# KiCad board RobotLegoController.kicad_pcb (continued)
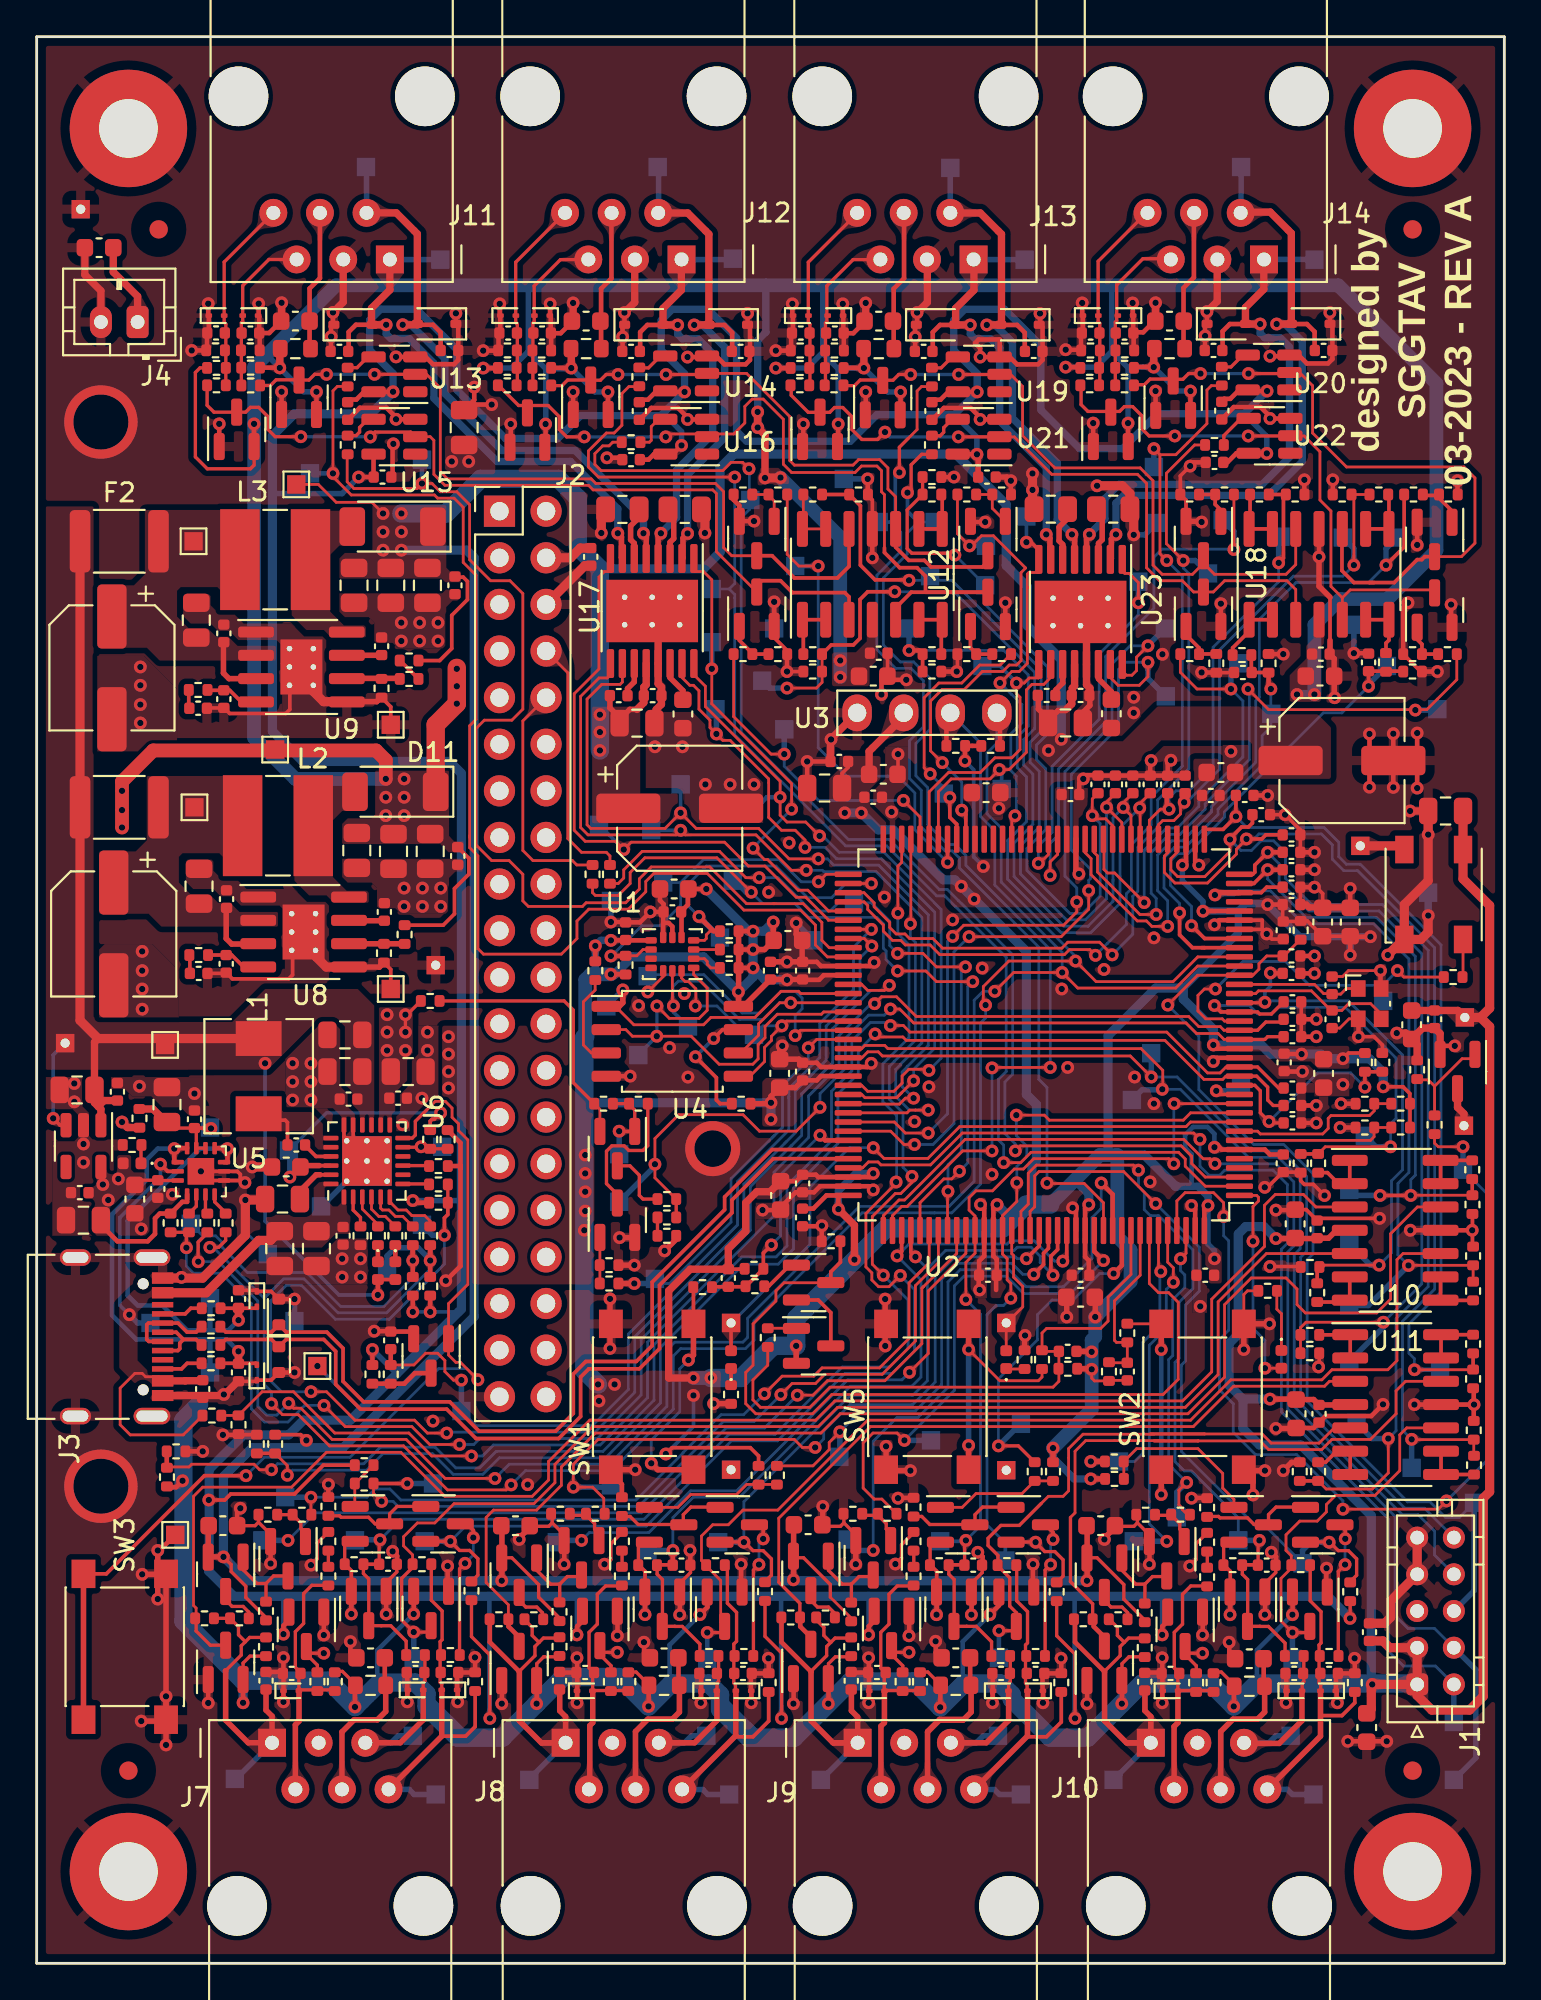
[diagram p0: board, top side]
## Placement (name value [footprint] x y rotation side) (continued)
R68  10K  [R_0402_1005Metric]  7.1 26.5 270 top
R69  2K4  [R_0402_1005Metric]  72.4 49.1 90 top
R70  10K  [R_0402_1005Metric]  11 29.35 90 top
R71  10K  [R_0402_1005Metric]  12 28.3 270 top
R72  10K  [R_0402_1005Metric]  7.6 27.9 180 top
R73  10K  [R_0402_1005Metric]  73.35 49.1 270 top
R74  10K  [R_0402_1005Metric]  12.5 17.25 270 top
R75  10K  [R_0402_1005Metric]  28.5 17.26 270 top
R76  100K  [R_0402_1005Metric]  12.5 19.2 270 top
R77  100K  [R_0402_1005Metric]  28.5 19.16 270 top
R78  330  [R_0402_1005Metric]  14.46 24.45 180 top
R79  330  [R_0402_1005Metric]  30.45 24.5 180 top
R80  330  [R_0402_1005Metric]  11.05 18.8 0 top
R81  330  [R_0402_1005Metric]  27.1 18.75 0 top
R82  100K  [R_0402_1005Metric]  12.6 24.45 0 top
R83  100K  [R_0402_1005Metric]  28.55 24.5 0 top
R84  10K  [R_0402_1005Metric]  9.15 18.8 0 top
R85  10K  [R_0402_1005Metric]  25.2 18.75 0 top
R86  2K4  [R_0402_1005Metric]  69.85 43.6 90 top
R87  2K4  [R_0402_1005Metric]  78.25 43.25 270 top
R88  4K7  [R_0402_1005Metric]  68.9 43.6 270 top
R89  4K7  [R_0402_1005Metric]  78.26 41.35 270 top
R90  10K  [R_0402_1005Metric]  16.25 15.35 90 top
R91  10K  [R_0402_1005Metric]  32.25 15.35 90 top
R92  10K  [R_0402_1005Metric]  15.3 15.35 270 top
R93  10K  [R_0402_1005Metric]  15.9 21.1 270 top
R94  10K  [R_0402_1005Metric]  15.9 23 270 top
R95  10K  [R_0402_1005Metric]  31.3 15.35 270 top
R96  10K  [R_0402_1005Metric]  31.9 21.1 270 top
R97  10K  [R_0402_1005Metric]  31.9 23 270 top
R98  100K  [R_0402_1005Metric]  17.3 21.75 180 top
R99  100K  [R_0402_1005Metric]  33.3 21.7 180 top
R100  330  [R_0402_1005Metric]  20.65 16.8 0 top
R101  330  [R_0402_1005Metric]  36.65 16.75 0 top
R102  100K  [R_0402_1005Metric]  17.85 27.15 180 top
R103  100K  [R_0402_1005Metric]  39.35 26.6 90 top
R104  330  [R_0402_1005Metric]  17.85 26.15 180 top
R105  330  [R_0402_1005Metric]  40.35 26.6 270 top
R106  100K  [R_0402_1005Metric]  55.4 26.8 90 top
R107  330  [R_0402_1005Metric]  54.4 26.8 270 top
R108  100K  [R_0402_1005Metric]  58.75 26.4 180 top
R109  330  [R_0402_1005Metric]  58.74 27.35 0 top
R110  10K  [R_0402_1005Metric]  23.7 20.3 90 top
R111  10K  [R_0402_1005Metric]  39.7 20.26 90 top
R112  10K  [R_0402_1005Metric]  21 21.75 0 top
R113  330  [R_0402_1005Metric]  22.55 16.8 180 top
R114  10K  [R_0402_1005Metric]  37 21.7 0 top
R115  330  [R_0402_1005Metric]  38.55 16.75 180 top
R116  220K  [R_0402_1005Metric]  23.9 15.35 90 top
R117  100K  [R_0402_1005Metric]  15.9 24.9 270 top
R118  220K  [R_0402_1005Metric]  39.9 15.3 90 top
R119  100K  [R_0402_1005Metric]  31.9 24.89 270 top
R120  2K4  [R_0402_1005Metric]  69.8 36.55 90 top
R121  2K4  [R_0402_1005Metric]  78.3 36.64 90 top
R122  4K7  [R_0402_1005Metric]  69.41 37.95 180 top
R123  4K7  [R_0402_1005Metric]  78.3 38.55 90 top
R124  10K  [R_0402_1005Metric]  44.4 17.25 270 top
R125  10K  [R_0402_1005Metric]  60.4 17.2 270 top
R126  100K  [R_0402_1005Metric]  44.4 19.15 270 top
R127  100K  [R_0402_1005Metric]  60.4 19.1 270 top
R128  330  [R_0402_1005Metric]  46.36 24.5 180 top
R129  330  [R_0402_1005Metric]  62.35 24.45 180 top
R130  330  [R_0402_1005Metric]  43 18.85 0 top
R131  330  [R_0402_1005Metric]  58.95 18.75 0 top
R132  100K  [R_0402_1005Metric]  44.49 24.5 0 top
R133  100K  [R_0402_1005Metric]  60.45 24.45 0 top
R134  10K  [R_0402_1005Metric]  41.1 18.85 0 top
R135  10K  [R_0402_1005Metric]  57.05 18.75 0 top
R136  2K4  [R_0402_1005Metric]  69.4 34.25 180 top
R137  2K4  [R_0402_1005Metric]  78.3 33.75 270 top
R138  4K7  [R_0402_1005Metric]  69.4 33.25 0 top
R139  4K7  [R_0402_1005Metric]  78.3 31.85 270 top
R140  10K  [R_0402_1005Metric]  48.15 15.35 90 top
R141  10K  [R_0402_1005Metric]  64.15 15.3 90 top
R142  10K  [R_0402_1005Metric]  47.2 15.35 270 top
R143  10K  [R_0402_1005Metric]  47.8 21.1 270 top
R144  10K  [R_0402_1005Metric]  47.8 23 270 top
R145  10K  [R_0402_1005Metric]  63.2 15.3 270 top
R146  10K  [R_0402_1005Metric]  63.8 21.05 270 top
R147  10K  [R_0402_1005Metric]  63.8 22.95 270 top
R148  100K  [R_0402_1005Metric]  49.2 21.7 180 top
R149  100K  [R_0402_1005Metric]  65.2 21.7 180 top
R150  330  [R_0402_1005Metric]  52.55 16.75 0 top
R151  330  [R_0402_1005Metric]  68.55 16.75 0 top
R152  22  [R_0402_1005Metric]  77.21 53.75 0 top
R153  330  [R_0402_1005Metric]  76.2 45.7 270 top
R154  100K  [R_0402_1005Metric]  75.25 48.7 270 top
R160  10K  [R_0402_1005Metric]  55.6 20.25 90 top
R161  10K  [R_0402_1005Metric]  71.6 20.25 90 top
R162  10K  [R_0402_1005Metric]  52.89 21.7 0 top
R163  330  [R_0402_1005Metric]  54.45 16.75 180 top
R164  10K  [R_0402_1005Metric]  68.9 21.7 0 top
R165  330  [R_0402_1005Metric]  70.45 16.75 180 top
R166  220K  [R_0402_1005Metric]  55.85 15.3 90 top
R167  100K  [R_0402_1005Metric]  47.8 24.86 270 top
R168  220K  [R_0402_1005Metric]  71.85 15.3 90 top
R169  100K  [R_0402_1005Metric]  63.8 24.84 270 top
R170  2K4  [R_0402_1005Metric]  69.85 26.8 270 top
R171  2K4  [R_0402_1005Metric]  78.35 27.15 90 top
R172  4K7  [R_0402_1005Metric]  68.85 26.8 90 top
R173  4K7  [R_0402_1005Metric]  78.33 29.05 90 top
R174  100K  [R_0402_1005Metric]  11.66 86.96 0 top
R175  100K  [R_0402_1005Metric]  27.53 86.95 0 top
R176  4K7  [R_0402_1005Metric]  11.67 85.99 180 top
R177  4K7  [R_0402_1005Metric]  27.54 86 180 top
R178  2K4  [R_0402_1005Metric]  42.3 80.05 0 top
R179  2K4  [R_0402_1005Metric]  48.8 80.05 180 top
R180  100K  [R_0402_1005Metric]  11.64 87.91 180 top
R181  100K  [R_0402_1005Metric]  27.53 87.9 180 top
R182  4K7  [R_0402_1005Metric]  44.8 80.05 0 top
R183  4K7  [R_0402_1005Metric]  48.8 81 0 top
R184  330  [R_0402_1005Metric]  40.4 80.05 180 top
R185  330  [R_0402_1005Metric]  50.7 80.05 0 top
R186  100K  [R_0402_1005Metric]  38.5 80.05 0 top
R187  100K  [R_0402_1005Metric]  52.6 80.05 180 top
R188  100K  [R_0402_1005Metric]  9.8 86.95 180 top
R189  100K  [R_0402_1005Metric]  25.65 86.95 180 top
R190  4K7  [R_0402_1005Metric]  9.8 86 0 top
R191  4K7  [R_0402_1005Metric]  25.65 86 0 top
R192  2K4  [R_0402_1005Metric]  42.3 71.35 0 top
R193  2K4  [R_0402_1005Metric]  48.8 71.35 180 top
R194  100K  [R_0402_1005Metric]  9.75 87.91 0 top
R195  100K  [R_0402_1005Metric]  25.66 87.9 0 top
R196  4K7  [R_0402_1005Metric]  42.3 70.4 180 top
R197  4K7  [R_0402_1005Metric]  48.8 70.4 0 top
R198  330  [R_0402_1005Metric]  38.5 71.35 0 top
R199  330  [R_0402_1005Metric]  52.6 71.35 180 top
R200  100K  [R_0402_1005Metric]  40.4 71.35 180 top
R201  100K  [R_0402_1005Metric]  50.7 71.35 0 top
R202  330  [R_0402_1005Metric]  16.95 86.45 90 top
R203  330  [R_0402_1005Metric]  32.85 86.46 90 top
R204  330  [R_0402_1005Metric]  16.95 82.75 90 top
R205  330  [R_0402_1005Metric]  32.4 82.9 0 top
R206  330  [R_0402_1005Metric]  21.45 52.45 0 top
R207  0.43  [R_0805_2012Metric]  35.32 79.24 180 top
R208  0.43  [R_0805_2012Metric]  31.93 79.24 0 top
R209  100K  [R_0402_1005Metric]  43.48 86.94 0 top
R210  100K  [R_0402_1005Metric]  59.3 86.96 0 top
R211  4K7  [R_0402_1005Metric]  43.47 86 180 top
R212  4K7  [R_0402_1005Metric]  59.3 86 180 top
R213  2K4  [R_0402_1005Metric]  66.65 80.05 0 top
R214  2K4  [R_0402_1005Metric]  73.16 80.05 180 top
R215  100K  [R_0402_1005Metric]  43.49 87.9 180 top
R216  100K  [R_0402_1005Metric]  59.31 87.9 180 top
R217  4K7  [R_0402_1005Metric]  68.6 80.05 0 top
R218  4K7  [R_0402_1005Metric]  71.16 80.05 180 top
R219  330  [R_0402_1005Metric]  64.75 80.05 180 top
R220  330  [R_0402_1005Metric]  75.05 80.05 0 top
R221  100K  [R_0402_1005Metric]  62.85 80.05 0 top
R222  100K  [R_0402_1005Metric]  76.95 80.05 180 top
R223  100K  [R_0402_1005Metric]  41.61 86.94 180 top
R224  100K  [R_0402_1005Metric]  57.4 86.95 180 top
R225  4K7  [R_0402_1005Metric]  41.6 86 0 top
R226  4K7  [R_0402_1005Metric]  57.4 86 0 top
R227  2K4  [R_0402_1005Metric]  65.7 71.3 0 top
R228  2K4  [R_0402_1005Metric]  73.55 70.9 270 top
R229  100K  [R_0402_1005Metric]  41.62 87.9 0 top
R230  100K  [R_0402_1005Metric]  57.44 87.9 0 top
R231  4K7  [R_0402_1005Metric]  67.15 70.85 90 top
R232  4K7  [R_0402_1005Metric]  75 70.4 0 top
R233  330  [R_0402_1005Metric]  62.85 71.35 0 top
R234  330  [R_0402_1005Metric]  76.9 71.35 180 top
R235  100K  [R_0402_1005Metric]  64.3 70.85 90 top
R236  100K  [R_0402_1005Metric]  75 71.35 0 top
R237  330  [R_0402_1005Metric]  48.8 86.45 90 top
R238  330  [R_0402_1005Metric]  64.6 86.5 90 top
R239  330  [R_0402_1005Metric]  48.8 82.75 90 top
R240  330  [R_0402_1005Metric]  64.2 82.75 0 top
R242  0.43  [R_0805_2012Metric]  58.68 79.25 180 top
R243  0.43  [R_0805_2012Metric]  55.28 79.25 0 top
SW1  SW_Omron_B3FS  [SW_Push_1P1T_NO_6x6mm_H9.5mm]  33.55 30.88 90 top
SW2  SW_Omron_B3FS  [SW_Push_1P1T_NO_6x6mm_H9.5mm]  63.55 30.88 270 top
SW3  SW_Omron_B3FS  [SW_Push_1P1T_NO_6x6mm_H9.5mm]  4.8 17.25 270 top
SW5  SW_Omron_B3FS  [SW_Push_1P1T_NO_6x6mm_H9.5mm]  48.55 30.88 90 top
SYMBOL1  ~  [sggtav_logo]  51.5 44 180 bottom
SYMBOL2  ~  [lego_robot_controller]  12.91 51.32 180 bottom
SYMBOL3  ~  [open_source]  71.47 78.76 180 bottom
TP1  S1mm  [TestPoint_Pad_1.0x1.0mm]  77.25 13.15 180 bottom
TP2  S1mm  [TestPoint_Pad_1.0x1.0mm]  37.25 55.9 180 bottom
TP3  S1mm  [TestPoint_Pad_1.0x1.0mm]  32.8 49.5 180 bottom
TP4  S1mm  [TestPoint_Pad_1.0x1.0mm]  77.25 10 180 bottom
TP5  S1mm  [TestPoint_Pad_1.0x1.0mm]  34.15 58.9 180 bottom
TP6  S1mm  [TestPoint_Pad_1.0x1.0mm]  78.35 25.1 180 bottom
TP7  S1mm  [TestPoint_Pad_1.0x1.0mm]  39.1 50.6 180 bottom
TP8  S1mm  [TestPoint_Pad_1.0x1.0mm]  59.7 47.05 180 bottom
TP9  S1mm  [TestPoint_Pad_1.0x1.0mm]  33.3 53.8 180 bottom
TP10  S1mm  [TestPoint_Pad_1.0x1.0mm]  35.5 51.05 180 bottom
TP11  S1mm  [TestPoint_Pad_1.0x1.0mm]  60.75 49.6 180 bottom
TP12  S1mm  [TestPoint_Pad_1.0x1.0mm]  44.55 57.8 180 bottom
TP13  S1mm  [TestPoint_Pad_1.0x1.0mm]  37.95 59 180 bottom
TP14  S1mm  [TestPoint_Pad_1.0x1.0mm]  42.35 55.75 180 bottom
TP15  TH1mm  [TestPoint_THTPad_1.0x1.0mm_Drill0.5mm]  52.85 34.9 90 bottom
TP16  S1mm  [TestPoint_Pad_1.0x1.0mm]  36.8 74.9 180 bottom
TP17  TH1mm  [TestPoint_THTPad_1.0x1.0mm_Drill0.5mm]  37.85 34.9 90 bottom
TP18  S1mm  [TestPoint_Pad_1.0x1.0mm]  31.05 52.15 180 bottom
TP19  TH1mm  [TestPoint_THTPad_1.0x1.0mm_Drill0.5mm]  37.85 26.9 270 bottom
TP20  S1mm  [TestPoint_Pad_1.0x1.0mm]  38.9 79.75 180 bottom
TP21  TH1mm  [TestPoint_THTPad_1.0x1.0mm_Drill0.5mm]  52.85 26.88 270 bottom
TP22  S1mm  [TestPoint_Pad_1.0x1.0mm]  12.6 38.65 180 bottom
TP23  TH1mm  [TestPoint_THTPad_1.0x1.0mm_Drill0.5mm]  2.4 95.6 180 bottom
TP24  S1mm  [TestPoint_Pad_1.0x1.0mm]  9.45 45.55 180 bottom
TP25  S1mm  [TestPoint_Pad_1.0x1.0mm]  23.15 30.1 180 bottom
TP26  S1mm  [TestPoint_Pad_1.0x1.0mm]  9.45 36.25 180 bottom
TP27  S1mm  [TestPoint_Pad_1.0x1.0mm]  9.45 32.2 180 bottom
TP28  TH1mm  [TestPoint_THTPad_1.0x1.0mm_Drill0.5mm]  1.55 50.15 180 bottom
TP29  S1mm  [TestPoint_Pad_1.0x1.0mm]  19.1 37.8 180 bottom
TP30  S1mm  [TestPoint_Pad_1.0x1.0mm]  8.4 40.3 180 bottom
TP31  S1mm  [TestPoint_Pad_1.0x1.0mm]  15.5 41.25 180 bottom
TP32  S1mm  [TestPoint_Pad_1.0x1.0mm]  21 40.25 180 bottom
TP33  S1mm  [TestPoint_Pad_1.0x1.0mm]  31.75 44.1 180 bottom
TP34  S1mm  [TestPoint_Pad_1.0x1.0mm]  31.75 41.5 180 bottom
TP35  S1mm  [TestPoint_Pad_1.0x1.0mm]  7 50.05 0 top
TP36  S1mm  [TestPoint_Pad_1.0x1.0mm]  15.3 32.55 0 top
TP37  S1mm  [TestPoint_Pad_1.0x1.0mm]  13.75 44.3 180 bottom
TP38  S1mm  [TestPoint_Pad_1.0x1.0mm]  33.7 37.3 180 bottom
TP39  S1mm  [TestPoint_Pad_1.0x1.0mm]  7.55 23.35 0 top
TP40  S1mm  [TestPoint_Pad_1.0x1.0mm]  8.6 63 0 top
TP41  S1mm  [TestPoint_Pad_1.0x1.0mm]  8.55 77.5 0 top
TP42  S1mm  [TestPoint_Pad_1.0x1.0mm]  13 66.15 0 top
TP43  S1mm  [TestPoint_Pad_1.0x1.0mm]  14.15 80.6 0 top
TP44  S1mm  [TestPoint_Pad_1.0x1.0mm]  19.3 53.1 0 top
TP45  S1mm  [TestPoint_Pad_1.0x1.0mm]  19.3 67.5 0 top
TP46  S1mm  [TestPoint_Pad_1.0x1.0mm]  10.8 10.05 180 bottom
TP47  S1mm  [TestPoint_Pad_1.0x1.0mm]  26.85 10 180 bottom
TP48  S1mm  [TestPoint_Pad_1.0x1.0mm]  13.55 25.4 180 bottom
TP49  S1mm  [TestPoint_Pad_1.0x1.0mm]  31.3 26.05 180 bottom
TP50  S1mm  [TestPoint_Pad_1.0x1.0mm]  72.4 45.1 180 bottom
TP51  S1mm  [TestPoint_Pad_1.0x1.0mm]  71.55 42.15 180 bottom
TP52  S1mm  [TestPoint_Pad_1.0x1.0mm]  12.3 23.05 180 bottom
TP53  S1mm  [TestPoint_Pad_1.0x1.0mm]  28.35 22.95 180 bottom
TP54  S1mm  [TestPoint_Pad_1.0x1.0mm]  20.5 12.4 180 bottom
TP55  S1mm  [TestPoint_Pad_1.0x1.0mm]  36.5 12.4 180 bottom
TP56  S1mm  [TestPoint_Pad_1.0x1.0mm]  17.35 23.05 180 bottom
TP57  S1mm  [TestPoint_Pad_1.0x1.0mm]  33.3 22.5 180 bottom
TP58  S1mm  [TestPoint_Pad_1.0x1.0mm]  22.1 44.5 180 bottom
TP59  S1mm  [TestPoint_Pad_1.0x1.0mm]  43.75 27.6 180 bottom
TP60  S1mm  [TestPoint_Pad_1.0x1.0mm]  21.6 26.15 180 bottom
TP61  S1mm  [TestPoint_Pad_1.0x1.0mm]  53.65 29.4 180 bottom
TP62  S1mm  [TestPoint_Pad_1.0x1.0mm]  20.55 16.6 180 bottom
TP63  S1mm  [TestPoint_Pad_1.0x1.0mm]  21.75 9.2 180 bottom
TP64  S1mm  [TestPoint_Pad_1.0x1.0mm]  36.55 16.6 180 bottom
TP65  S1mm  [TestPoint_Pad_1.0x1.0mm]  37.75 9.2 180 bottom
TP66  S1mm  [TestPoint_Pad_1.0x1.0mm]  21.15 23 180 bottom
TP67  S1mm  [TestPoint_Pad_1.0x1.0mm]  37.15 22.95 180 bottom
TP68  S1mm  [TestPoint_Pad_1.0x1.0mm]  71.55 39.2 180 bottom
TP69  S1mm  [TestPoint_Pad_1.0x1.0mm]  71.55 35.85 180 bottom
TP70  S1mm  [TestPoint_Pad_1.0x1.0mm]  42.75 10 180 bottom
TP71  S1mm  [TestPoint_Pad_1.0x1.0mm]  58.7 10 180 bottom
TP72  S1mm  [TestPoint_Pad_1.0x1.0mm]  48.75 28.5 180 bottom
TP73  S1mm  [TestPoint_Pad_1.0x1.0mm]  62.15 24.3 180 bottom
TP74  S1mm  [TestPoint_Pad_1.0x1.0mm]  71.55 32.8 180 bottom
TP75  S1mm  [TestPoint_Pad_1.0x1.0mm]  76.5 32.35 180 bottom
TP76  S1mm  [TestPoint_Pad_1.0x1.0mm]  44.2 23.1 180 bottom
TP77  S1mm  [TestPoint_Pad_1.0x1.0mm]  59.8 23 180 bottom
TP78  S1mm  [TestPoint_Pad_1.0x1.0mm]  52.4 12.4 180 bottom
TP79  S1mm  [TestPoint_Pad_1.0x1.0mm]  68.35 12.4 180 bottom
TP80  S1mm  [TestPoint_Pad_1.0x1.0mm]  49.25 23 180 bottom
TP81  S1mm  [TestPoint_Pad_1.0x1.0mm]  65.5 23.05 180 bottom
TP82  S1mm  [TestPoint_Pad_1.0x1.0mm]  6.2 34.9 180 bottom
TP83  S1mm  [TestPoint_Pad_1.0x1.0mm]  59 27.35 180 bottom
TP84  S1mm  [TestPoint_Pad_1.0x1.0mm]  14.05 35 180 bottom
TP85  S1mm  [TestPoint_Pad_1.0x1.0mm]  31.3 57.9 180 bottom
TP86  S1mm  [TestPoint_Pad_1.0x1.0mm]  52.45 16.65 180 bottom
TP87  S1mm  [TestPoint_Pad_1.0x1.0mm]  53.65 9.2 180 bottom
TP88  S1mm  [TestPoint_Pad_1.0x1.0mm]  68.45 16.6 180 bottom
TP89  S1mm  [TestPoint_Pad_1.0x1.0mm]  69.6 9.2 180 bottom
TP90  S1mm  [TestPoint_Pad_1.0x1.0mm]  52.8 21.95 180 bottom
TP91  S1mm  [TestPoint_Pad_1.0x1.0mm]  69 21.8 180 bottom
TP92  S1mm  [TestPoint_Pad_1.0x1.0mm]  71.95 29.45 180 bottom
TP93  S1mm  [TestPoint_Pad_1.0x1.0mm]  74.95 27 180 bottom
TP94  S1mm  [TestPoint_Pad_1.0x1.0mm]  48.7 75.6 180 bottom
TP95  S1mm  [TestPoint_Pad_1.0x1.0mm]  51.7 75.1 180 bottom
TP96  S1mm  [TestPoint_Pad_1.0x1.0mm]  41.35 76.15 180 bottom
TP97  S1mm  [TestPoint_Pad_1.0x1.0mm]  51.75 77.25 180 bottom
TP98  S1mm  [TestPoint_Pad_1.0x1.0mm]  39.55 69.9 180 bottom
TP99  S1mm  [TestPoint_Pad_1.0x1.0mm]  47.55 72.75 180 bottom
TP100  S1mm  [TestPoint_Pad_1.0x1.0mm]  40.75 67.25 180 bottom
TP101  S1mm  [TestPoint_Pad_1.0x1.0mm]  49.45 63.75 180 bottom
TP103  S1mm  [TestPoint_Pad_1.0x1.0mm]  36.8 72 180 bottom
TP104  S1mm  [TestPoint_Pad_1.0x1.0mm]  30.65 62.05 180 bottom
TP105  S1mm  [TestPoint_Pad_1.0x1.0mm]  39.05 62.8 180 bottom
TP106  S1mm  [TestPoint_Pad_1.0x1.0mm]  37 68.35 180 bottom
TP107  S1mm  [TestPoint_Pad_1.0x1.0mm]  33.5 61.75 180 bottom
TP108  S1mm  [TestPoint_Pad_1.0x1.0mm]  35.1 64.25 180 bottom
TP109  S1mm  [TestPoint_Pad_1.0x1.0mm]  17.95 97.9 180 bottom
TP110  S1mm  [TestPoint_Pad_1.0x1.0mm]  22 92.85 180 bottom
TP111  S1mm  [TestPoint_Pad_1.0x1.0mm]  37.95 92.9 180 bottom
TP112  S1mm  [TestPoint_Pad_1.0x1.0mm]  33.85 97.9 180 bottom
TP113  S1mm  [TestPoint_Pad_1.0x1.0mm]  67.8 77.75 180 bottom
TP114  S1mm  [TestPoint_Pad_1.0x1.0mm]  71.2 77.7 180 bottom
TP115  S1mm  [TestPoint_Pad_1.0x1.0mm]  64.65 78.65 180 bottom
TP116  S1mm  [TestPoint_Pad_1.0x1.0mm]  74.15 77.7 180 bottom
TP117  S1mm  [TestPoint_Pad_1.0x1.0mm]  67.3 68.1 180 bottom
TP118  S1mm  [TestPoint_Pad_1.0x1.0mm]  73.6 70.7 180 bottom
TP119  S1mm  [TestPoint_Pad_1.0x1.0mm]  65.5 70.85 180 bottom
TP120  S1mm  [TestPoint_Pad_1.0x1.0mm]  76.35 68.35 180 bottom
TP122  S1mm  [TestPoint_Pad_1.0x1.0mm]  60.05 75.3 180 bottom
TP123  S1mm  [TestPoint_Pad_1.0x1.0mm]  53.95 78.85 180 bottom
TP124  S1mm  [TestPoint_Pad_1.0x1.0mm]  61.5 72.75 180 bottom
TP125  S1mm  [TestPoint_Pad_1.0x1.0mm]  61.55 69.05 180 bottom
TP126  S1mm  [TestPoint_Pad_1.0x1.0mm]  51.55 70.7 180 bottom
TP127  S1mm  [TestPoint_Pad_1.0x1.0mm]  52.6 64 180 bottom
TP128  S1mm  [TestPoint_Pad_1.0x1.0mm]  49.8 97.85 180 bottom
TP129  S1mm  [TestPoint_Pad_1.0x1.0mm]  53.85 92.85 180 bottom
TP130  S1mm  [TestPoint_Pad_1.0x1.0mm]  69.65 92.85 180 bottom
TP131  S1mm  [TestPoint_Pad_1.0x1.0mm]  65.65 97.9 180 bottom
TP132  S1mm  [TestPoint_Pad_1.0x1.0mm]  65.65 47.8 180 bottom
TP133  TH1mm  [TestPoint_THTPad_1.0x1.0mm_Drill0.5mm]  21.75 54.4 180 bottom
TP134  S1mm  [TestPoint_Pad_1.0x1.0mm]  14.9 81.2 180 bottom
TP135  S1mm  [TestPoint_Pad_1.0x1.0mm]  21 81.95 180 bottom
TP136  S1mm  [TestPoint_Pad_1.0x1.0mm]  60.9 81.55 180 bottom
TP137  S1mm  [TestPoint_Pad_1.0x1.0mm]  63.85 75.75 180 bottom
TP138  S1mm  [TestPoint_Pad_1.0x1.0mm]  48.95 78.55 180 bottom
TP139  S1mm  [TestPoint_Pad_1.0x1.0mm]  45.9 78.55 180 bottom
TP140  S1mm  [TestPoint_Pad_1.0x1.0mm]  71.8 72.95 180 bottom
TP141  S1mm  [TestPoint_Pad_1.0x1.0mm]  61.05 78.5 180 bottom
TP142  S1mm  [TestPoint_Pad_1.0x1.0mm]  44 80.9 180 bottom
TP143  S1mm  [TestPoint_Pad_1.0x1.0mm]  40.2 72.75 180 bottom
TP144  S1mm  [TestPoint_Pad_1.0x1.0mm]  73.4 52.45 180 bottom
TP145  S1mm  [TestPoint_Pad_1.0x1.0mm]  77.75 43.25 180 bottom
TP146  TH1mm  [TestPoint_THTPad_1.0x1.0mm_Drill0.5mm]  77.8 45.65 180 bottom
TP147  TH1mm  [TestPoint_THTPad_1.0x1.0mm_Drill0.5mm]  77.85 51.55 180 bottom
TP148  S1mm  [TestPoint_Pad_1.0x1.0mm]  75.85 58.35 180 bottom
TP149  TH1mm  [TestPoint_THTPad_1.0x1.0mm_Drill0.5mm]  72.15 60.9 180 bottom
U1  LSM6DSL  [LGA-14_3x2.5mm_P0.5mm_LayoutBorder3x4y]  34.65 55 180 top
U2  STM32L496ZGTx  [LQFP-144_20x20mm_P0.5mm]  54.9 50.6 180 top
U3  SSD1306  [128x64OLED]  48.34 57.55 0 top
U4  W25X40CLSS  [SOIC-8_5.275x5.275mm_P1.27mm]  34.65 50.25 0 top
U5  FUSB302B01MPX  [WQFN-14-1EP_2.5x2.5mm_P0.5mm_EP1.45x1.45mm]  8.95 43.16 0 top
U6  BQ25601  [Texas_S-PWQFN-N24_EP2.7x2.7mm_ThermalVias]  18 43.72 90 top
U7  AP2127K-3.3  [SOT-23-5]  2.55 44.54 270 top
U8  PAM2423AECADJR  [SOIC-8-1EP_3.9x4.9mm_P1.27mm_EP2.29x3mm_ThermalVias]  14.55 56.2 0 top
U9  PAM2423AECADJR  [SOIC-8-1EP_3.9x4.9mm_P1.27mm_EP2.29x3mm_ThermalVias]  14.43 70.65 0 top
U10  LMV324  [SOIC-14_3.9x8.7mm_P1.27mm]  74.05 39.95 0 top
U11  LMV324  [SOIC-14_3.9x8.7mm_P1.27mm]  74.07 30.45 0 top
U12  LMV324  [SOIC-14_3.9x8.7mm_P1.27mm]  45.55 75.7 90 top
U13  SN74LVC1G14DBV  [SOT-23-5]  19.5 86.6 180 top
U14  SN74LVC1G14DBV  [SOT-23-5]  35.4 86.65 180 top
U15  SN74LVC1G14DBV  [SOT-23-5]  19.5 83.2 180 top
U16  SN74LVC1G14DBV  [SOT-23-5]  35.4 83.2 180 top
U17  DRV8833PWP  [HTSSOP-16-1EP_4.4x5mm_P0.65mm_EP3.4x5mm_Mask2.46x2.31mm_ThermalVias]  33.55 73.7 270 top
U18  LMV324  [SOIC-14_3.9x8.7mm_P1.27mm]  69.9 75.7 90 top
U19  SN74LVC1G14DBV  [SOT-23-5]  51.35 86.6 180 top
U20  SN74LVC1G14DBV  [SOT-23-5]  67.15 86.7 180 top
U21  SN74LVC1G14DBV  [SOT-23-5]  51.34 83.2 180 top
U22  SN74LVC1G14DBV  [SOT-23-5]  67.2 83.25 180 top
U23  DRV8833PWP  [HTSSOP-16-1EP_4.4x5mm_P0.65mm_EP3.4x5mm_Mask2.46x2.31mm_ThermalVias]  56.9 73.65 270 top
Y2  8Z-24.000MAAJ-T  [Crystal_SMD_Abracon_ABM10-4Pin_2.5x2.0mm]  72.66 52.3 0 top

## Library data of the parts
C1 C4-C8 C10 C12 C14 C18 C20 C23-C32 C38 C39 C41 C42 C45 C46 C52 C54 C55 C58 C62 C63 C68 C71 C72 C76 C93 C113 C141-C146 C166-C171 C180 C182 = -: Description: Unpolarized capacitor, small symbol; digi: https://www.digikey.co.uk/en/products/detail/samsung-electro-mechanics/CL05A104KA5NNNC/3886701
C2 C3 C11 C13 C16 C17 C19 C33-C37 C43 C53 C60 C90-C92 C94 C99 C110-C112 C114 C119 C132 C135 C140 C149 C157 C160 C165 C174 C181 = -: Description: Unpolarized capacitor, small symbol; digi: https://www.digikey.co.uk/en/products/detail/samsung-electro-mechanics/CL10A105KA8NNNC/3886760
C9 C40 C44 C49-C51 C56 C57 C59 C61 C64 C65 C67 C70 C73-C75 C77-C79 C147 C172 = -: Description: Unpolarized capacitor, small symbol; Digi: https://www.digikey.co.uk/en/products/detail/samsung-electro-mechanics/CL21A106KOQNNNE/3886754
C15 C21 C22 C47 C48 C80-C89 C95-C98 C100-C109 C115-C118 C120-C131 C133 C134 C136-C139 C150-C156 C158 C159 C161-C164 C175-C179 = -: Description: Unpolarized capacitor, small symbol
C66 C69 C148 C173 = -: Description: Polarized capacitor, small symbol
D1-D3 D8-D10 = -: Description: Light emitting diode
D4 D5 = -: Description: ESD Protection Diode, SOD-523; Field4: https://www.digikey.co.uk/en/products/detail/littelfuse-inc/AQ3530-01LTG/11503998
D6 D7 D17 D18 D21 D22 D25 D26 D31 D32 D35 D36 D39-D42 D45 D46 D53 D54 D57 D58 = -: Description: ESD protection diode, 5.0Vrwm, SOD-923
D11 D12 = -: Description: Schottky diode
D13-D16 D19 D20 D23 D24 D27-D30 D33 D34 D37 D38 D43 D44 D47 D48 D55 D56 D59 D60 = -: Description: Vr 30V, If 200mA, Dual schottky barrier diode, in series, SOT-323
D49-D52 D61-D64 = -: Description: 12V, 450W Discrete Bidirectional TVS Diode, SOD-323
D65 = -: Description: 5050 RGB LED 4-Pin with integrated IC
F1-F10 = -: Description: Resettable fuse, polymeric positive temperature coefficient
FID1-FID4 = -: Description: Fiducial Marker
H1-H4 = -: Description: Mounting Hole with connection
J1 = -: Description: Generic connector, single row, 01x10, script generated
J2 = -: Description: expansion header for Raspberry Pi 2 & 3
J3 = -: Description: USB 2.0-only Type-C Receptacle connector
J4 = -: Description: Generic connector, single row, 01x02, script generated (kicad-library-utils/schlib/autogen/connector/)
J7-J14 = -: Description: RJ connector, 6P6C (6 positions 6 connected)
L1 = -: Description: Inductor with ferrite core
L2 L3 = -: Description: Inductor with ferrite core; Field4: VLS6045EX-6R8M
Q1-Q3 Q5 Q6 Q9-Q12 Q17 Q18 = -: Description: -0.13A Id, -50V Vds, P-Channel MOSFET, SOT-23
Q4 Q7 Q8 Q13 Q15 Q16 Q19 Q20 Q27-Q37 = -: Description: 0.115A Id, 60V Vds, N-Channel MOSFET, SOT-23
R1-R58 R61 R62 R65 R68-R154 R160-R240 R242 R243 = -: Description: Resistor, US symbol
R59 R60 R63 R64 R66 R67 = -: Description: Resistor, US symbol; Digi: https://www.digikey.co.uk/en/products/detail/stackpole-electronics-inc/RMCF0402FT29K4/1761483
SW1-SW3 SW5 = -: Description: Omron B3FS 6x6mm single pole normally-open tactile switch
TP1-TP101 TP103-TP120 TP122-TP149 = -: Description: test point
U1 = -: Description: I2C/SPI, iNEMO inertial module: always-on 3D accelerometer and 3D gyroscope, 1.71V to 3.6V VCC
U2 = -: Description: STMicroelectronics Arm Cortex-M4 MCU, 1024KB flash, 320KB RAM, 80 MHz, 1.71-3.6V, 115 GPIO, LQFP144
U4 = -: Description: 4Mbit Serial Flash memory, dual I/O SPI, SOIC-8 208mil
U5 = -: Description: Programmable USB Type-C Controller w/PD, I2C address 0x23, WQFN-14
U6 = -: Description: I2C Controlled 3A Single-Cell Battery Charger for High Input Voltage and Narrow Voltage DC Power Path Management, WQFN-32
U7 = -: Description: 300mA low dropout linear regulator, shutdown pin, 2.5V-6V input voltage, 3.3V fixed positive output, SOT-23-5
U8 U9 = -: Digikey: https://www.digikey.co.uk/en/products/detail/diodes-incorporated/PAM2423AECADJR/4033258?s=N4IgTCBcDaIA4EMC2YAsYDMIC6BfIA
U10-U12 U18 = -: Description: Quad Low-Voltage Rail-to-Rail Output Operational Amplifier, SOIC-14/SSOP-14
U13-U16 U19-U22 = -: Description: Single Schmitt-Trigger Inverter, SOT-23
U17 U23 = -: Description: Dual H-Bridge Motor Driver, HTSSOP-16
Y2 = -: Description: Four pin crystal, GND on pins 2 and 4, small symbol

## Footprints (pads in the part's own frame, mm; a bottom-side part is the same pattern mirrored in y, then rotated)
128x64OLED
  oval 1.6x2 hole 1: 1(-3.62,10.6) 2(-1.08,10.6) 3(1.46,10.6) 4(4,10.6)
C_0402_1005Metric
  rrect 0.56x0.62 smd: 1(-0.48,0) 2(0.48,0)
C_0603_1608Metric
  rrect 0.9x0.95 smd: 1(-0.775,0) 2(0.775,0)
C_0805_2012Metric
  rrect 1x1.45 smd: 1(-0.95,0) 2(0.95,0)
CP_Elec_6.3x5.2
  rrect 3.5x1.6 smd: 1(-2.8,0) 2(2.8,0)
Crystal_SMD_Abracon_ABM10-4Pin_2.5x2.0mm
  rect 0.8x0.9 smd: 1(-0.625,0.825) 2(-0.625,-0.825) 3(0.625,-0.825) 4(0.625,0.825)
D_SOD-128
  rrect 1.4x2.1 smd: 1(-2.2,0) 2(2.2,0)
D_SOD-323
  rrect 0.6x0.45 smd: 1(-1.05,0) 2(1.05,0)
D_SOD-523
  rrect 0.6x0.7 smd: 1(-0.7,0) 2(0.7,0)
D_SOD-923
  rrect 0.36x0.25 smd: 1(-0.42,0) 2(0.42,0)
Fiducial_1mm_Mask3mm
  round 1 smd: (0,0)
HTSSOP-16-1EP_4.4x5mm_P0.65mm_EP3.4x5mm_Mask2.46x2.31mm_ThermalVias
  rrect 1.98x0.93 smd: (0,0.58) (0,-0.58)
  rect 2.46x2.31 smd: (0,0)
  rrect 1.575x0.4 smd: 1(-2.862,2.275) 2(-2.862,1.625) 3(-2.862,0.975) 4(-2.862,0.325) 5(-2.862,-0.325) 6(-2.862,-0.975) 7(-2.862,-1.625) 8(-2.862,-2.275) 9(2.862,-2.275) 10(2.862,-1.625) 11(2.862,-0.975) 12(2.862,-0.325) 13(2.862,0.325) 14(2.862,0.975) 15(2.862,1.625) 16(2.862,2.275)
  round 0.7 hole 0.3: 17(-0.75,1.5) 17(-0.75,0) 17(-0.75,-1.5) 17(0.75,1.5) 17(0.75,0) 17(0.75,-1.5)
  rect 2x3.5 smd far side: 17(0,0)
  rect 3.4x5 smd: 17(0,0)
JST_PH_B2B-PH-K_1x02_P2.00mm_Vertical
  rrect 1.2x1.75 hole 0.75: 1(0,0)
  oval 1.2x1.75 hole 0.75: 2(2,0)
JST_PHD_B10B-PHDSS_2x05_P2.00mm_Vertical
  rrect 1.2x1.2 hole 0.75: 1(0,0)
  round 1.2 hole 0.75: 2(0,-2) 3(2,0) 4(2,-2) 5(4,0) 6(4,-2) 7(6,0) 8(6,-2) 9(8,0) 10(8,-2)
L_Chilisin_BMRA00050520
  rect 1.9x2.5 smd: 1(-2.05,0) 2(2.05,0)
L_Ferrocore_DLG-0504
  rect 2.15x5.5 smd: 1(-1.925,0) 2(1.925,0)
LED_0402_1005Metric
  rrect 0.59x0.64 smd: 1(-0.485,0) 2(0.485,0)
LED_Inolux_IN-PI554FCH_PLCC4_5.0x5.0mm_P3.2mm
  rect 1.5x1 smd: 1(-2.45,1.6) 2(-2.45,-1.6) 3(2.45,-1.6) 4(2.45,1.6)
LGA-14_3x2.5mm_P0.5mm_LayoutBorder3x4y
  rrect 0.625x0.35 smd: 1(-1.163,0.75) 2(-1.163,0.25) 3(-1.163,-0.25) 4(-1.163,-0.75) 8(1.163,-0.75) 9(1.163,-0.25) 10(1.163,0.25) 11(1.163,0.75)
  rrect 0.35x0.625 smd: 5(-0.5,-0.912) 6(0,-0.912) 7(0.5,-0.912) 12(0.5,0.912) 13(0,0.912) 14(-0.5,0.912)
LQFP-144_20x20mm_P0.5mm
  rrect 1.475x0.3 smd: 1(-10.662,8.75) 2(-10.662,8.25) 3(-10.662,7.75) 4(-10.662,7.25) 5(-10.662,6.75) 6(-10.662,6.25) 7(-10.662,5.75) 8(-10.662,5.25) 9(-10.662,4.75) 10(-10.662,4.25) 11(-10.662,3.75) 12(-10.662,3.25) 13(-10.662,2.75) 14(-10.662,2.25) 15(-10.662,1.75) 16(-10.662,1.25) 17(-10.662,0.75) 18(-10.662,0.25) 19(-10.662,-0.25) 20(-10.662,-0.75) 21(-10.662,-1.25) 22(-10.662,-1.75) 23(-10.662,-2.25) 24(-10.662,-2.75) 25(-10.662,-3.25) 26(-10.662,-3.75) 27(-10.662,-4.25) 28(-10.662,-4.75) 29(-10.662,-5.25) 30(-10.662,-5.75) 31(-10.662,-6.25) 32(-10.662,-6.75) 33(-10.662,-7.25) 34(-10.662,-7.75) 35(-10.662,-8.25) 36(-10.662,-8.75) 73(10.662,-8.75) 74(10.662,-8.25) 75(10.662,-7.75) 76(10.662,-7.25) 77(10.662,-6.75) 78(10.662,-6.25) 79(10.662,-5.75) 80(10.662,-5.25) 81(10.662,-4.75) 82(10.662,-4.25) 83(10.662,-3.75) 84(10.662,-3.25) 85(10.662,-2.75) 86(10.662,-2.25) 87(10.662,-1.75) 88(10.662,-1.25) 89(10.662,-0.75) 90(10.662,-0.25) 91(10.662,0.25) 92(10.662,0.75) 93(10.662,1.25) 94(10.662,1.75) 95(10.662,2.25) 96(10.662,2.75) 97(10.662,3.25) 98(10.662,3.75) 99(10.662,4.25) 100(10.662,4.75) 101(10.662,5.25) 102(10.662,5.75) 103(10.662,6.25) 104(10.662,6.75) 105(10.662,7.25) 106(10.662,7.75) 107(10.662,8.25) 108(10.662,8.75)
  rrect 0.3x1.475 smd: 37(-8.75,-10.662) 38(-8.25,-10.662) 39(-7.75,-10.662) 40(-7.25,-10.662) 41(-6.75,-10.662) 42(-6.25,-10.662) 43(-5.75,-10.662) 44(-5.25,-10.662) 45(-4.75,-10.662) 46(-4.25,-10.662) 47(-3.75,-10.662) 48(-3.25,-10.662) 49(-2.75,-10.662) 50(-2.25,-10.662) 51(-1.75,-10.662) 52(-1.25,-10.662) 53(-0.75,-10.662) 54(-0.25,-10.662) 55(0.25,-10.662) 56(0.75,-10.662) 57(1.25,-10.662) 58(1.75,-10.662) 59(2.25,-10.662) 60(2.75,-10.662) 61(3.25,-10.662) 62(3.75,-10.662) 63(4.25,-10.662) 64(4.75,-10.662) 65(5.25,-10.662) 66(5.75,-10.662) 67(6.25,-10.662) 68(6.75,-10.662) 69(7.25,-10.662) 70(7.75,-10.662) 71(8.25,-10.662) 72(8.75,-10.662) 109(8.75,10.662) 110(8.25,10.662) 111(7.75,10.662) 112(7.25,10.662) 113(6.75,10.662) 114(6.25,10.662) 115(5.75,10.662) 116(5.25,10.662) 117(4.75,10.662) 118(4.25,10.662) 119(3.75,10.662) 120(3.25,10.662) 121(2.75,10.662) 122(2.25,10.662) 123(1.75,10.662) 124(1.25,10.662) 125(0.75,10.662) 126(0.25,10.662) 127(-0.25,10.662) 128(-0.75,10.662) 129(-1.25,10.662) 130(-1.75,10.662) 131(-2.25,10.662) 132(-2.75,10.662) 133(-3.25,10.662) 134(-3.75,10.662) 135(-4.25,10.662) 136(-4.75,10.662) 137(-5.25,10.662) 138(-5.75,10.662) 139(-6.25,10.662) 140(-6.75,10.662) 141(-7.25,10.662) 142(-7.75,10.662) 143(-8.25,10.662) 144(-8.75,10.662)
MountingHole_3.2mm_M3_Pad
  round 6.4 hole 3.2: 1(0,0)
PinHeader_2x20_P2.54mm_Vertical
  rect 1.7x1.7 hole 1: 1(0,0)
  oval 1.7x1.7 hole 1: 2(2.54,0) 3(0,-2.54) 4(2.54,-2.54) 5(0,-5.08) 6(2.54,-5.08) 7(0,-7.62) 8(2.54,-7.62) 9(0,-10.16) 10(2.54,-10.16) 11(0,-12.7) 12(2.54,-12.7) 13(0,-15.24) 14(2.54,-15.24) 15(0,-17.78) 16(2.54,-17.78) 17(0,-20.32) 18(2.54,-20.32) 19(0,-22.86) 20(2.54,-22.86) 21(0,-25.4) 22(2.54,-25.4) 23(0,-27.94) 24(2.54,-27.94) 25(0,-30.48) 26(2.54,-30.48) 27(0,-33.02) 28(2.54,-33.02) 29(0,-35.56) 30(2.54,-35.56) 31(0,-38.1) 32(2.54,-38.1) 33(0,-40.64) 34(2.54,-40.64) 35(0,-43.18) 36(2.54,-43.18) 37(0,-45.72) 38(2.54,-45.72) 39(0,-48.26) 40(2.54,-48.26)
R_0402_1005Metric
  rrect 0.54x0.64 smd: 1(-0.51,0) 2(0.51,0)
R_0603_1608Metric
  rrect 0.8x0.95 smd: 1(-0.825,0) 2(0.825,0)
R_0805_2012Metric
  rrect 1.025x1.4 smd: 1(-0.912,0) 2(0.912,0)
R_1812_4532Metric
  rrect 1.125x3.4 smd: 1(-2.138,0) 2(2.138,0)
RJ12_Amphenol_54601
  round 3.25 hole 3.25 unplated: (-1.91,-8.89) (8.25,-8.89)
  rect 1.52x1.52 hole 0.76: 1(0,0)
  round 1.52 hole 0.76: 2(1.27,-2.54) 3(2.54,0) 4(3.81,-2.54) 5(5.08,0) 6(6.35,-2.54)
SOIC-8-1EP_3.9x4.9mm_P1.27mm_EP2.29x3mm_ThermalVias
  rrect 0.96x1.25 smd: (-0.57,0.75) (-0.57,-0.75) (0.57,0.75) (0.57,-0.75)
  rrect 1.95x0.6 smd: 1(-2.475,1.905) 2(-2.475,0.635) 3(-2.475,-0.635) 4(-2.475,-1.905) 5(2.475,-1.905) 6(2.475,-0.635) 7(2.475,0.635) 8(2.475,1.905)
  round 0.7 hole 0.3: 9(-0.65,1) 9(-0.65,0) 9(-0.65,-1) 9(0.65,1) 9(0.65,0) 9(0.65,-1)
  rect 1.8x2.5 smd far side: 9(0,0)
  rect 2.29x3 smd: 9(0,0)
SOIC-8_5.275x5.275mm_P1.27mm
  rrect 1.6x0.6 smd: 1(-3.6,1.905) 2(-3.6,0.635) 3(-3.6,-0.635) 4(-3.6,-1.905) 5(3.6,-1.905) 6(3.6,-0.635) 7(3.6,0.635) 8(3.6,1.905)
SOIC-14_3.9x8.7mm_P1.27mm
  rrect 1.95x0.6 smd: 1(-2.475,3.81) 2(-2.475,2.54) 3(-2.475,1.27) 4(-2.475,0) 5(-2.475,-1.27) 6(-2.475,-2.54) 7(-2.475,-3.81) 8(2.475,-3.81) 9(2.475,-2.54) 10(2.475,-1.27) 11(2.475,0) 12(2.475,1.27) 13(2.475,2.54) 14(2.475,3.81)
SOT-23
  rrect 1.475x0.6 smd: 1(-0.938,0.95) 2(-0.938,-0.95) 3(0.938,0)
SOT-23-5
  rrect 1.325x0.6 smd: 1(-1.137,0.95) 2(-1.137,0) 3(-1.137,-0.95) 4(1.137,-0.95) 5(1.137,0.95)
SW_Push_1P1T_NO_6x6mm_H9.5mm
  rect 1.55x1.3 smd: 1(-3.975,2.25) 1(3.975,2.25) 2(-3.975,-2.25) 2(3.975,-2.25)
TestPoint_Pad_1.0x1.0mm
  rect 1x1 smd: 1(0,0)
TestPoint_THTPad_1.0x1.0mm_Drill0.5mm
  rect 1x1 hole 0.5: 1(0,0)
